# Altium PCB miniBackplane.PcbDoc (part 17 of 24)
Units mil, origin at the board's own origin, x right, y up, seen from the top; angles counter-clockwise.
Board outline 17285.63 x 8582.68 mil, 6 copper layers (Top Layer, Mid-Layer 1, GND, PWR, Mid-Layer 2, Bottom Layer), stack 62.362 mil thick; 519 components, 474 nets, 2434 pads, 1493 vias.
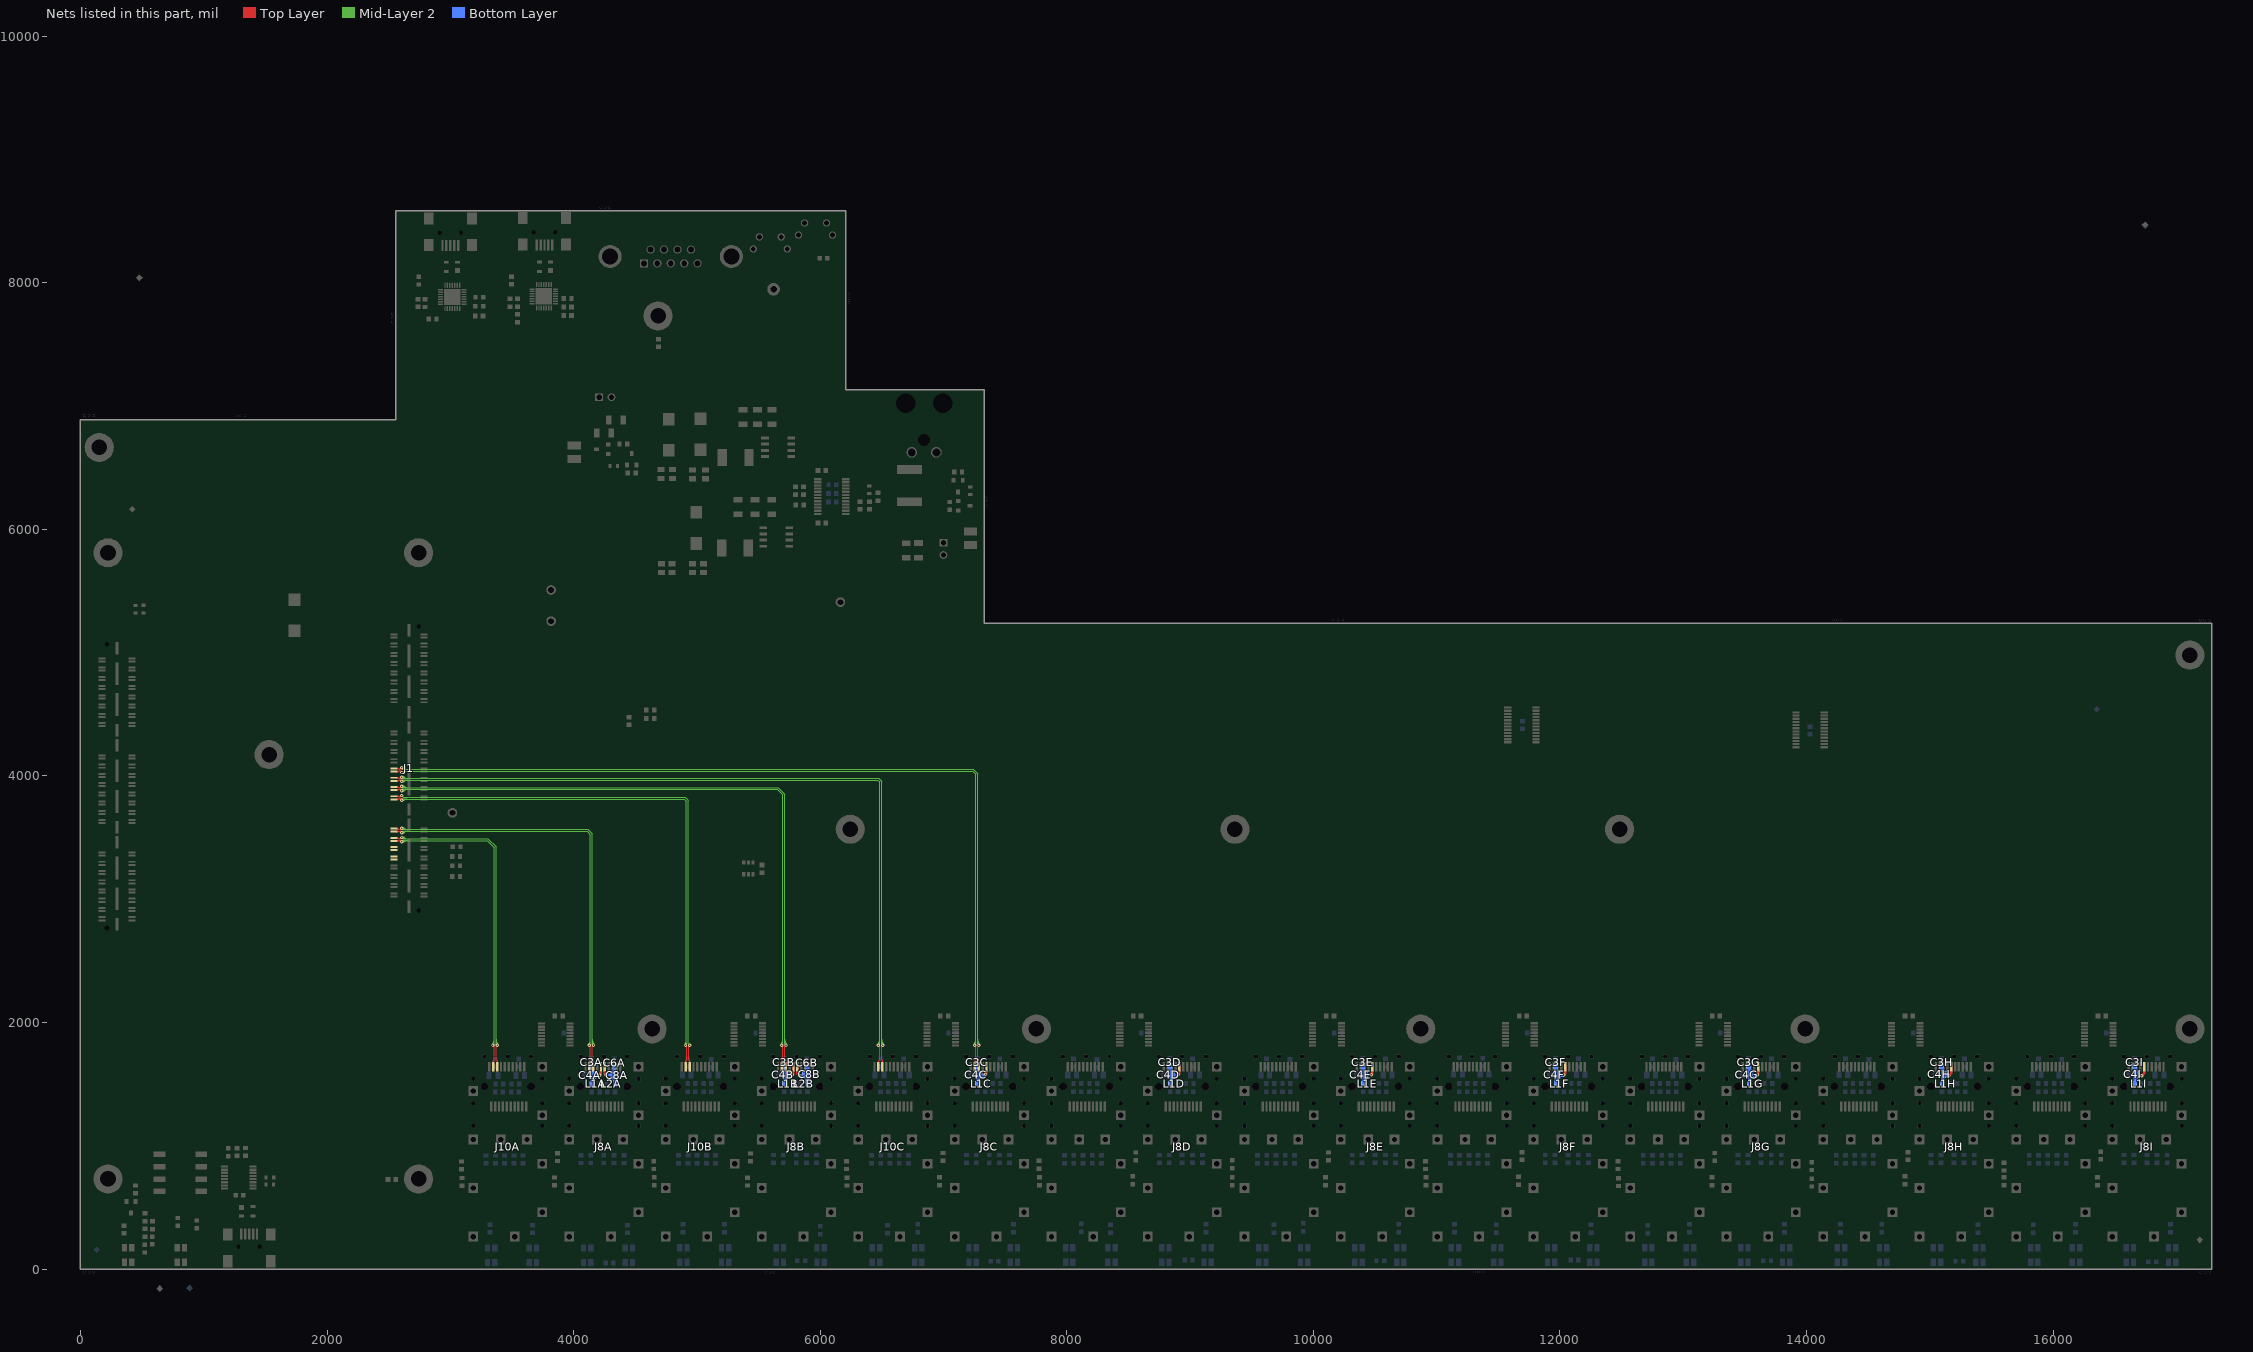
[diagram p21: the nets of this part, all layers, seen from the top]

## Via types
v1: diameter 27.56, hole 11.81, Top Layer to Bottom Layer, tented both sides, 1347 vias
v2: diameter 23.62, hole 11.81, Top Layer to Bottom Layer, tented both sides, 146 vias

## Nets (pads, with @x,y where several pads share a name; then routed paths per layer and width w, separated by ;. In a path a pad name is that pad's centre, name@x,y a point inside that pad or via, vN(x,y) a via of type N, cw(c..) or ccw(c..) an arc to the next point about the centre after c; other vN are vias at no path point) (continued)
MGTTX115_0_N: J1.52 J8C.19 | length 7595.7
  Top Layer w9.84: J1.52@2562.99,4034.99 2575.71,4034.99 2580.33,4039.62 ; v1(2605.71,4027.66) 2593.75,4039.62 ; v1(7252.44,1815.56) 7262.28,1805.72 ; J8C.19@7254.41,1669.3 7254.41,1690.56 7262.28,1698.43 7262.28,1805.72 ; 2580.33,4039.62 cw(c2571.4,4048.55) 2565.18,4037.56 ccw(c2571.4,4048.55) 2580.33,4039.62 ; 2580.34,4039.62 cw(c2580.34,4022.6) 2597.02,4025.93 ccw(c2580.34,4022.6) 2580.34,4039.62 ; 2580.33,4039.62 2593.75,4039.62 ; 2593.75,4039.62 ccw(c2602.04,4047.9) 2604.13,4036.37 cw(c2602.04,4047.9) 2593.75,4039.62 ; 2593.75,4039.62 cw(c2585.46,4031.33) 2596.99,4029.24 ccw(c2585.46,4031.33) 2593.75,4039.62 ; 7254.41,1682.63 ccw(c7266.29,1682.63) 7257.89,1674.23 cw(c7266.29,1682.63) 7254.41,1682.63 ; 7254.41,1682.63 cw(c7242.53,1682.63) 7250.93,1674.23 ccw(c7242.53,1682.63) 7254.41,1682.63 ; 7262.28,1805.72 ccw(c7257.68,1801.12) 7255.46,1807.23 cw(c7257.68,1801.12) 7262.28,1805.72 ; 7262.28,1805.72 cw(c7266.88,1810.32) 7260.77,1812.54 ccw(c7266.88,1810.32) 7262.28,1805.72 ; 2592.33,4039.62 cw(c2592.33,4024.99) 2606.67,4027.85 ccw(c2592.33,4024.99) 2592.33,4039.62
  Mid-Layer 2 w7.09: v1(2605.71,4027.66) 2614.27,4027.66 2624.11,4037.5 ; v1@7249.79,1825.45 ccw(c7246.08,1839.28) 7258.49,1832.12 ; v1(7252.44,1815.56) 7262.28,1825.4 7262.28,4011.44 7236.22,4037.5 2624.11,4037.5 ; 7252.63,1835.59 ccw(c7265.6,1828.05) v1@7254.72,1817.73 ; 7257.38,1843.77 ccw(c7272.75,1834.84) v1@7259.86,1822.61 ; 7260,1834.74 ccw(c7270.44,1828.71) v1@7260.71,1821.6 ; 2624.11,4037.5 cw(c2616.93,4044.68) 2611.34,4036.2 ccw(c2616.93,4044.68) 2624.11,4037.5 ; v1@7245.2,1822.8 ccw(c7203.97,1864.03) 7262.28,1864.03 cw(c7203.97,1864.03) v1@7245.2,1822.8 ; v1@7250.21,1817.79 ccw(c7221.07,1846.92) 7262.28,1846.92 cw(c7221.07,1846.92) v1@7250.21,1817.79 ; v1@7255.22,1812.78 ccw(c7238.18,1829.82) 7262.28,1829.82 cw(c7238.18,1829.82) v1@7255.22,1812.78
MGTTX115_0_P: J1.50 J8C.18 | length 7619.6
  Top Layer w9.84: J1.50@2562.99,4059.99 2575.71,4059.99 2580.33,4055.37 ; v1(2605.71,4065.21) 2595.87,4055.37 ; J8C.18@7285.91,1669.3 7285.91,1690.56 7278.03,1698.43 7278.03,1805.72 ; v1(7287.87,1815.56) 7278.03,1805.72 ; 2580.33,4055.37 ccw(c2571.4,4046.44) 2565.18,4057.42 cw(c2571.4,4046.44) 2580.33,4055.37 ; 2580.34,4055.37 ccw(c2580.34,4073.07) 2597.25,4067.83 cw(c2580.34,4073.07) 2580.34,4055.37 ; 2580.33,4055.37 2595.87,4055.37 ; 2595.87,4055.37 ccw(c2591.27,4059.97) 2597.38,4062.19 cw(c2591.27,4059.97) 2595.87,4055.37 ; 2595.87,4055.37 cw(c2600.47,4050.77) 2602.69,4056.88 ccw(c2600.47,4050.77) 2595.87,4055.37 ; 7278.03,1805.72 ccw(c7273.43,1810.32) 7279.55,1812.54 cw(c7273.43,1810.32) 7278.03,1805.72 ; 7278.03,1805.72 cw(c7282.63,1801.12) 7284.85,1807.23 ccw(c7282.63,1801.12) 7278.03,1805.72 ; 7285.91,1682.63 ccw(c7297.79,1682.63) 7289.39,1674.23 cw(c7297.79,1682.63) 7285.91,1682.63 ; 7285.91,1682.63 cw(c7274.02,1682.63) 7282.43,1674.23 ccw(c7274.02,1682.63) 7285.91,1682.63 ; 2593.69,4055.37 ccw(c2593.69,4068.93) 2606.65,4064.92 cw(c2593.69,4068.93) 2593.69,4055.37
  Mid-Layer 2 w7.09: v1@2607.1,4066.6 2620.45,4053.25 ; v1@7279.61,1821.6 ccw(c7269.87,1828.71) 7280.31,1834.74 ; v1@7280.45,1822.61 ccw(c7267.57,1834.84) 7282.93,1843.77 ; 7281.83,1832.12 ccw(c7294.23,1839.28) v1@7290.52,1825.45 ; v1@7285.59,1817.73 ccw(c7274.72,1828.05) 7287.68,1835.59 ; v1(7287.87,1815.56) 7278.03,1825.4 7278.03,4017.96 7242.74,4053.25 2620.45,4053.25 ; 2620.45,4053.25 ccw(c2613.05,4045.84) 2609.34,4055.64 cw(c2613.05,4045.84) 2620.45,4053.25 ; 2620.45,4053.25 cw(c2631.38,4064.18) 2615.94,4064.8 ccw(c2631.38,4064.18) 2620.45,4053.25 ; 7278.03,1829.82 ccw(c7302.13,1829.82) 7285.09,1812.78 cw(c7302.13,1829.82) 7278.03,1829.82 ; 7278.03,1846.92 ccw(c7319.24,1846.92) 7290.1,1817.79 cw(c7319.24,1846.92) 7278.03,1846.92 ; 7278.03,1864.03 ccw(c7336.35,1864.03) 7295.11,1822.8 cw(c7336.35,1864.03) 7278.03,1864.03
MGTTX115_1_N: J1.56 J10C.19 | length 6950.7
  Top Layer w9.84: J1.56@2562.99,3959.99 2575.71,3959.99 2580.71,3965 ; v1(2605.71,3955.16) 2595.87,3965 ; v1(6472.44,1815.56) 6482.28,1805.72 ; J10C.19@6474.41,1673.24 6474.41,1690.56 6482.28,1698.43 6482.28,1805.72 ; 2580.71,3965 cw(c2571.27,3974.44) 2565.09,3962.61 ccw(c2571.27,3974.44) 2580.71,3965 ; 2580.71,3965 cw(c2580.71,3947.8) 2597.21,3952.66 ccw(c2580.71,3947.8) 2580.71,3965 ; 2580.71,3965 2595.87,3965 ; 2595.87,3965 ccw(c2600.47,3969.6) 2602.69,3963.48 cw(c2600.47,3969.6) 2595.87,3965 ; 2595.87,3965 cw(c2591.27,3960.4) 2597.38,3958.18 ccw(c2591.27,3960.4) 2595.87,3965 ; 6482.28,1805.72 ccw(c6477.68,1801.12) 6475.46,1807.23 cw(c6477.68,1801.12) 6482.28,1805.72 ; 6482.28,1805.72 cw(c6486.88,1810.32) 6480.77,1812.54 ccw(c6486.88,1810.32) 6482.28,1805.72 ; 2593.87,3965 cw(c2593.87,3951.67) 2606.65,3955.44 ccw(c2593.87,3951.67) 2593.87,3965 ; J10C.19@6468.43,1674.23 ccw(c6453.99,1688.66) 6474.41,1688.66 cw(c6453.99,1688.66) J10C.19@6468.43,1674.23
  Mid-Layer 2 w7.09: v1(2605.71,3955.16) 2615.55,3965 6468.12,3965 6482.28,3950.84 6482.28,1825.4 v1(6472.44,1815.56) ; v1@2607.88,3957.44 ccw(c2618.2,3968.31) 2625.74,3955.35 ; v1@2611.75,3963.42 ccw(c2618.86,3973.16) 2624.89,3962.72 ; v1@2612.76,3962.58 ccw(c2624.99,3975.46) 2633.92,3960.1 ; v1@2615.6,3952.51 cw(c2629.43,3948.8) 2622.27,3961.21 ; v1@6469.79,1825.45 ccw(c6466.08,1839.28) 6478.49,1832.12 ; 6472.63,1835.59 ccw(c6485.6,1828.05) v1@6474.72,1817.73 ; 6477.38,1843.77 ccw(c6492.75,1834.84) v1@6479.86,1822.61 ; 6480,1834.74 ccw(c6490.44,1828.71) v1@6480.71,1821.6 ; v1@2602.92,3957.94 cw(c2619.97,3940.9) 2619.97,3965 ccw(c2619.97,3940.9) v1@2602.92,3957.94 ; v1@2607.94,3952.93 cw(c2637.07,3923.79) 2637.07,3965 ccw(c2637.07,3923.79) v1@2607.94,3952.93 ; v1@2612.95,3947.92 cw(c2654.18,3906.68) 2654.18,3965 ccw(c2654.18,3906.68) v1@2612.95,3947.92 ; v1@6465.2,1822.8 ccw(c6423.97,1864.03) 6482.28,1864.03 cw(c6423.97,1864.03) v1@6465.2,1822.8 ; v1@6470.21,1817.79 ccw(c6441.07,1846.92) 6482.28,1846.92 cw(c6441.07,1846.92) v1@6470.21,1817.79 ; v1@6475.22,1812.78 ccw(c6458.18,1829.82) 6482.28,1829.82 cw(c6458.18,1829.82) v1@6475.22,1812.78
MGTTX115_1_P: J1.54 J10C.18 | length 6980.6
  Top Layer w9.84: J1.54@2562.99,3984.99 2575.71,3984.99 2579.95,3980.75 ; v1(2605.71,3990.59) 2595.87,3980.75 ; J10C.18@6505.91,1669.3 6505.91,1690.56 6498.03,1698.43 6498.03,1805.72 ; v1(6507.87,1815.56) 6498.03,1805.72 ; 2579.95,3980.75 ccw(c2571.51,3972.31) 2565.27,3982.48 cw(c2571.51,3972.31) 2579.95,3980.75 ; 2579.95,3980.75 ccw(c2579.95,3998.98) 2597.29,3993.33 cw(c2579.95,3998.98) 2579.95,3980.75 ; 2579.95,3980.75 2595.87,3980.75 ; 2595.87,3980.75 ccw(c2591.27,3985.35) 2597.38,3987.57 cw(c2591.27,3985.35) 2595.87,3980.75 ; 2595.87,3980.75 cw(c2600.47,3976.15) 2602.69,3982.26 ccw(c2600.47,3976.15) 2595.87,3980.75 ; 6498.03,1805.72 ccw(c6493.43,1810.32) 6499.55,1812.54 cw(c6493.43,1810.32) 6498.03,1805.72 ; 6498.03,1805.72 cw(c6502.63,1801.12) 6504.85,1807.23 ccw(c6502.63,1801.12) 6498.03,1805.72 ; 2593.51,3980.75 ccw(c2593.51,3994.56) 2606.64,3990.29 cw(c2593.51,3994.56) 2593.51,3980.75 ; J10C.18@6499.93,1674.23 ccw(c6485.49,1688.66) 6505.91,1688.66 cw(c6485.49,1688.66) J10C.18@6499.93,1674.23
  Mid-Layer 2 w7.09: v1(2605.71,3990.59) 2615.55,3980.75 6474.65,3980.75 6498.03,3957.36 6498.03,1825.4 v1(6507.87,1815.56) ; v1@2607.88,3988.31 cw(c2618.2,3977.43) 2625.74,3990.4 ; v1@2611.75,3982.33 cw(c2618.86,3972.59) 2624.89,3983.03 ; v1@2612.76,3983.17 cw(c2624.99,3970.29) 2633.92,3985.65 ; v1@2615.6,3993.24 ccw(c2629.43,3996.95) 2622.27,3984.54 ; v1@6499.61,1821.6 ccw(c6489.87,1828.71) 6500.31,1834.74 ; v1@6500.45,1822.61 ccw(c6487.57,1834.84) 6502.93,1843.77 ; 6501.83,1832.12 ccw(c6514.23,1839.28) v1@6510.52,1825.45 ; v1@6505.59,1817.73 ccw(c6494.72,1828.05) 6507.68,1835.59 ; v1@2602.92,3987.81 ccw(c2619.97,4004.85) 2619.97,3980.75 cw(c2619.97,4004.85) v1@2602.92,3987.81 ; v1@2607.94,3992.82 ccw(c2637.07,4021.96) 2637.07,3980.75 cw(c2637.07,4021.96) v1@2607.94,3992.82 ; v1@2612.95,3997.83 ccw(c2654.18,4039.07) 2654.18,3980.75 cw(c2654.18,4039.07) v1@2612.95,3997.83 ; 6498.03,1829.82 ccw(c6522.13,1829.82) 6505.09,1812.78 cw(c6522.13,1829.82) 6498.03,1829.82 ; 6498.03,1846.92 ccw(c6539.24,1846.92) 6510.1,1817.79 cw(c6539.24,1846.92) 6498.03,1846.92 ; 6498.03,1864.03 ccw(c6556.35,1864.03) 6515.11,1822.8 cw(c6556.35,1864.03) 6498.03,1864.03
MGTTX115_2_N: J1.60 J8B.19 | length 6089.8
  Top Layer w9.84: J1.60@2562.99,3884.99 2575.71,3884.99 2580.72,3890 ; v1(2605.71,3880.16) 2595.87,3890 ; v1(5687.44,1815.55) 5697.28,1805.71 ; J8B.19@5689.41,1669.29 5689.41,1690.55 5697.28,1698.43 5697.28,1805.71 ; 2580.72,3890 cw(c2571.28,3899.44) 2565.09,3887.61 ccw(c2571.28,3899.44) 2580.72,3890 ; 2580.72,3890 cw(c2580.72,3872.81) 2597.21,3877.66 ccw(c2580.72,3872.81) 2580.72,3890 ; 2580.72,3890 2595.87,3890 ; 2595.87,3890 ccw(c2600.47,3894.6) 2602.69,3888.48 cw(c2600.47,3894.6) 2595.87,3890 ; 2595.87,3890 cw(c2591.27,3885.4) 2597.38,3883.18 ccw(c2591.27,3885.4) 2595.87,3890 ; 5689.41,1682.63 ccw(c5701.29,1682.63) 5692.89,1674.23 cw(c5701.29,1682.63) 5689.41,1682.63 ; 5689.41,1682.63 cw(c5677.53,1682.63) 5685.93,1674.23 ccw(c5677.53,1682.63) 5689.41,1682.63 ; 5697.28,1805.71 ccw(c5692.68,1801.11) 5690.46,1807.22 cw(c5692.68,1801.11) 5697.28,1805.71 ; 5697.28,1805.71 cw(c5701.88,1810.31) 5695.77,1812.53 ccw(c5701.88,1810.31) 5697.28,1805.71 ; 2593.87,3890 cw(c2593.87,3876.68) 2606.65,3880.44 ccw(c2593.87,3876.68) 2593.87,3890
  Mid-Layer 2 w7.09: v1@2605,3890 5653,3890 5697.28,3845.72 5697.28,1825.39 v1(5687.44,1815.55) ; v1(2605.71,3880.16) v1@2613.43,3887.87 ; v1@2607.88,3882.44 ccw(c2618.2,3893.31) 2625.74,3880.35 ; v1@2611.75,3888.42 ccw(c2618.86,3898.16) 2624.89,3887.72 ; v1@2612.76,3887.58 ccw(c2624.99,3900.46) 2633.92,3885.1 ; v1@2615.6,3877.51 cw(c2629.43,3873.8) 2622.27,3886.21 ; v1@5684.79,1825.44 ccw(c5681.08,1839.28) 5693.49,1832.11 ; 5687.63,1835.58 ccw(c5700.6,1828.05) v1@5689.72,1817.72 ; 5692.38,1843.76 ccw(c5707.75,1834.84) v1@5694.86,1822.6 ; 5695,1834.73 ccw(c5705.44,1828.7) v1@5695.71,1821.59 ; v1@2602.92,3882.94 cw(c2619.97,3865.9) 2619.97,3890 ccw(c2619.97,3865.9) v1@2602.92,3882.94 ; v1@2607.94,3877.93 cw(c2637.07,3848.79) 2637.07,3890 ccw(c2637.07,3848.79) v1@2607.94,3877.93 ; v1@2612.95,3872.92 cw(c2654.18,3831.68) 2654.18,3890 ccw(c2654.18,3831.68) v1@2612.95,3872.92 ; v1@5680.2,1822.79 ccw(c5638.97,1864.03) 5697.28,1864.03 cw(c5638.97,1864.03) v1@5680.2,1822.79 ; v1@5685.21,1817.78 ccw(c5656.07,1846.92) 5697.28,1846.92 cw(c5656.07,1846.92) v1@5685.21,1817.78 ; v1@5690.22,1812.77 ccw(c5673.18,1829.81) 5697.28,1829.81 cw(c5673.18,1829.81) v1@5690.22,1812.77
MGTTX115_2_P: J1.58 J8B.18 | length 6114.8
  Top Layer w9.84: J1.58@2562.99,3909.99 2575.71,3909.99 2579.95,3905.75 ; v1(2605.71,3915.59) 2595.87,3905.75 ; J8B.18@5720.91,1673.23 5720.91,1690.55 5713.03,1698.43 5713.03,1805.71 ; v1(5722.87,1815.55) 5713.03,1805.71 ; 2579.95,3905.75 ccw(c2571.51,3897.31) 2565.27,3907.48 cw(c2571.51,3897.31) 2579.95,3905.75 ; 2579.95,3905.75 ccw(c2579.95,3923.98) 2597.29,3918.33 cw(c2579.95,3923.98) 2579.95,3905.75 ; 2579.95,3905.75 2595.87,3905.75 ; 2595.87,3905.75 ccw(c2591.27,3910.35) 2597.38,3912.57 cw(c2591.27,3910.35) 2595.87,3905.75 ; 2595.87,3905.75 cw(c2600.47,3901.15) 2602.69,3907.26 ccw(c2600.47,3901.15) 2595.87,3905.75 ; 5713.03,1805.71 ccw(c5708.43,1810.31) 5714.55,1812.53 cw(c5708.43,1810.31) 5713.03,1805.71 ; 5713.03,1805.71 cw(c5717.63,1801.11) 5719.85,1807.22 ccw(c5717.63,1801.11) 5713.03,1805.71 ; 5720.91,1682.63 ccw(c5732.79,1682.63) 5724.39,1674.23 cw(c5732.79,1682.63) 5720.91,1682.63 ; 5720.91,1682.63 cw(c5709.02,1682.63) 5717.43,1674.23 ccw(c5709.02,1682.63) 5720.91,1682.63 ; 2593.51,3905.75 ccw(c2593.51,3919.56) 2606.64,3915.29 cw(c2593.51,3919.56) 2593.51,3905.75
  Mid-Layer 2 w7.09: v1@2605,3905.75 2615.55,3905.75 ; v1(2605.71,3915.59) 2615.55,3905.75 ; v1@2607.88,3913.31 cw(c2618.2,3902.43) 2625.74,3915.4 ; v1@2611.75,3907.33 cw(c2618.86,3897.59) 2624.89,3908.03 ; v1@2612.76,3908.17 cw(c2624.99,3895.29) 2633.92,3910.65 ; v1@2615.6,3918.24 ccw(c2629.43,3921.95) 2622.27,3909.54 ; v1@5714.61,1821.59 ccw(c5704.87,1828.7) 5715.31,1834.73 ; v1@5715.45,1822.6 ccw(c5702.57,1834.84) 5717.93,1843.76 ; 5716.83,1832.11 ccw(c5729.23,1839.28) v1@5725.52,1825.44 ; v1@5720.59,1817.72 ccw(c5709.72,1828.05) 5722.68,1835.58 ; v1(5722.87,1815.55) 5713.03,1825.39 5713.03,3852.24 5659.52,3905.75 2615.55,3905.75 ; v1@2602.92,3912.81 ccw(c2619.97,3929.85) 2619.97,3905.75 cw(c2619.97,3929.85) v1@2602.92,3912.81 ; v1@2607.94,3917.82 ccw(c2637.07,3946.96) 2637.07,3905.75 cw(c2637.07,3946.96) v1@2607.94,3917.82 ; v1@2612.95,3922.83 ccw(c2654.18,3964.07) 2654.18,3905.75 cw(c2654.18,3964.07) v1@2612.95,3922.83 ; 5713.03,1829.81 ccw(c5737.13,1829.81) 5720.09,1812.77 cw(c5737.13,1829.81) 5713.03,1829.81 ; 5713.03,1846.92 ccw(c5754.24,1846.92) 5725.1,1817.78 cw(c5754.24,1846.92) 5713.03,1846.92 ; 5713.03,1864.03 ccw(c5771.35,1864.03) 5730.11,1822.79 cw(c5771.35,1864.03) 5713.03,1864.03
MGTTX115_3_N: J1.64 J10B.19 | length 5095.2
  Top Layer w9.84: J1.64@2562.99,3809.99 2575.71,3809.99 2580.71,3815 ; v1@2605.71,3805.16 2595.87,3815 ; v1(4907.44,1815.55) 4917.28,1805.71 ; J10B.19@4909.41,1669.29 4909.41,1690.55 4917.28,1698.43 4917.28,1805.71 ; 2580.71,3815 cw(c2580.71,3799.07) 2596.32,3802.24 ccw(c2580.71,3799.07) 2580.71,3815 ; 2580.71,3815 cw(c2571.27,3824.44) 2565.09,3812.61 ccw(c2571.27,3824.44) 2580.71,3815 ; 2580.71,3815 2595.87,3815 ; 2595.87,3815 cw(c2591.49,3810.62) 2597.05,3807.9 ccw(c2591.49,3810.62) 2595.87,3815 ; 2595.87,3815 ccw(c2601.77,3820.91) 2603.34,3812.7 cw(c2601.77,3820.91) 2595.87,3815 ; 4909.41,1682.63 cw(c4897.53,1682.63) 4905.93,1674.23 ccw(c4897.53,1682.63) 4909.41,1682.63 ; 4909.41,1682.63 ccw(c4921.29,1682.63) 4912.89,1674.23 cw(c4921.29,1682.63) 4909.41,1682.63 ; 4917.28,1805.71 ccw(c4912.68,1801.11) 4910.46,1807.22 cw(c4912.68,1801.11) 4917.28,1805.71 ; 4917.28,1805.71 cw(c4921.88,1810.31) 4915.77,1812.53 ccw(c4921.88,1810.31) 4917.28,1805.71 ; 2592.75,3815 cw(c2592.75,3801.51) 2605.96,3804.2 ccw(c2592.75,3801.51) 2592.75,3815
  Mid-Layer 2 w7.09: v1(2605,3804) 2605,3804.45 v1@2612.55,3812 ; v1@2607.42,3806.01 ccw(c2617.07,3814.03) 2623.34,3803.17 ; v1@2612.31,3811.17 ccw(c2617.63,3816.39) 2621.36,3809.93 ccw(c2628.24,3798.01) v1@2614.91,3801.45 ; v1@2612.87,3810.54 ccw(c2623.62,3819.48) 2630.62,3807.37 ; v1@2613.43,3812.87 v1@2612.55,3812 ; v1@4905.49,1825.6 ccw(c4903.45,1836.08) 4912.7,1830.74 ccw(c4917.71,1827.85) v1@4914,1823.41 ; 4906.17,1833.13 ccw(c4916.16,1827.36) v1@4909.31,1818.08 ; v1(4907.44,1815.55) 4914.68,1822.79 4914.68,3796.32 4899,3812 v1@2612.55,3812 ; 4910.14,1840 ccw(c4920.91,1833.79) v1@4913.52,1823.79 ; v1@2607.23,3801.77 cw(c2631.92,3777.08) 2631.92,3812 ccw(c2631.92,3777.08) v1@2607.23,3801.77 ; v1@2612.24,3796.76 cw(c2649.03,3759.97) 2649.03,3812 ccw(c2649.03,3759.97) v1@2612.24,3796.76 ; v1@4900.2,1822.79 ccw(c4865.25,1857.74) 4914.68,1857.74 cw(c4865.25,1857.74) v1@4900.2,1822.79 ; v1@4905.21,1817.78 ccw(c4882.36,1840.63) 4914.68,1840.63 cw(c4882.36,1840.63) v1@4905.21,1817.78
MGTTX115_3_P: J1.62 J10B.18 | length 4743.7
  Top Layer w9.84: J1.62@2562.99,3834.99 2575.71,3834.99 2579.95,3830.75 ; v1(2605.71,3840.59) 2595.87,3830.75 ; J10B.18@4940.91,1669.29 4940.91,1690.55 4933.03,1698.43 4933.03,1805.71 ; v1(4942.87,1815.55) 4933.03,1805.71 ; 2579.95,3830.75 ccw(c2579.95,3848.98) 2597.29,3843.33 cw(c2579.95,3848.98) 2579.95,3830.75 ; 2579.95,3830.75 ccw(c2571.51,3822.31) 2565.27,3832.48 cw(c2571.51,3822.31) 2579.95,3830.75 ; 2579.95,3830.75 2595.87,3830.75 ; 2595.87,3830.75 ccw(c2591.27,3835.35) 2597.38,3837.57 cw(c2591.27,3835.35) 2595.87,3830.75 ; 2595.87,3830.75 cw(c2600.47,3826.15) 2602.69,3832.26 ccw(c2600.47,3826.15) 2595.87,3830.75 ; 4933.03,1805.71 ccw(c4928.43,1810.31) 4934.55,1812.53 cw(c4928.43,1810.31) 4933.03,1805.71 ; 4933.03,1805.71 cw(c4937.63,1801.11) 4939.85,1807.22 ccw(c4937.63,1801.11) 4933.03,1805.71 ; 4940.91,1682.63 cw(c4929.02,1682.63) 4937.43,1674.23 ccw(c4929.02,1682.63) 4940.91,1682.63 ; 4940.91,1682.63 ccw(c4952.79,1682.63) 4944.39,1674.23 cw(c4952.79,1682.63) 4940.91,1682.63 ; 2593.51,3830.75 ccw(c2593.51,3844.56) 2606.64,3840.29 cw(c2593.51,3844.56) 2593.51,3830.75
  Mid-Layer 2 w7.09: v1(2605.71,3840.59) 2618.55,3827.75 4905.52,3827.75 4930.43,3802.84 4930.43,1829.31 4933.43,1826.31 4933.43,1825 v1(4942.87,1815.55)
MGTTX116_0_N: J1.68 J8A.19 | length 4193
  Top Layer w9.84: J1.68@2562.99,3547.49 2575.71,3547.49 2578.22,3550 ; v1(2605.71,3540.16) 2595.87,3550 ; v1(4125.98,1813.9) 4135.83,1804.06 ; J8A.19@4127.95,1667.64 4127.95,1688.9 4135.83,1696.77 4135.83,1804.06 ; 2578.22,3550 cw(c2571.79,3556.42) 2565.7,3549.68 ccw(c2571.79,3556.42) 2578.22,3550 ; 2578.22,3550 cw(c2578.22,3529.3) 2597.47,3536.9 ccw(c2578.22,3529.3) 2578.22,3550 ; 2578.22,3550 2595.87,3550 ; 2595.87,3550 ccw(c2600.47,3554.6) 2602.69,3548.48 cw(c2600.47,3554.6) 2595.87,3550 ; 2595.87,3550 cw(c2591.27,3545.4) 2597.38,3543.18 ccw(c2591.27,3545.4) 2595.87,3550 ; 4127.95,1682.63 ccw(c4139.83,1682.63) 4131.43,1674.23 cw(c4139.83,1682.63) 4127.95,1682.63 ; 4127.95,1682.63 cw(c4116.07,1682.63) 4124.47,1674.23 ccw(c4116.07,1682.63) 4127.95,1682.63 ; 4135.83,1804.06 ccw(c4131.23,1799.45) 4129.01,1805.57 cw(c4131.23,1799.45) 4135.83,1804.06 ; 4135.83,1804.06 cw(c4140.43,1808.66) 4134.31,1810.88 ccw(c4140.43,1808.66) 4135.83,1804.06 ; 2592.69,3550 cw(c2592.69,3535.01) 2606.62,3540.52 ccw(c2592.69,3535.01) 2592.69,3550
  Mid-Layer 2 w7.09: v1(2605.71,3540.16) 2615.55,3550 4110.24,3550 4135.83,3524.41 4135.83,1823.74 v1(4125.98,1813.9) ; v1@2607.88,3542.44 ccw(c2618.2,3553.31) 2625.74,3540.35 ; v1@2611.75,3548.42 ccw(c2618.86,3558.16) 2624.89,3547.72 ; v1@2612.76,3547.58 ccw(c2624.99,3560.46) 2633.92,3545.1 ; v1@2615.6,3537.51 cw(c2629.43,3533.8) 2622.27,3546.21 ; v1@4123.33,1823.79 ccw(c4119.63,1837.62) 4132.03,1830.46 ; 4126.17,1833.92 ccw(c4139.14,1826.39) v1@4128.27,1816.07 ; 4130.93,1842.11 ccw(c4146.29,1833.18) v1@4133.41,1820.95 ; 4133.54,1833.08 ccw(c4143.99,1827.05) v1@4134.25,1819.94 ; v1@2602.92,3542.94 cw(c2619.97,3525.9) 2619.97,3550 ccw(c2619.97,3525.9) v1@2602.92,3542.94 ; v1@2607.94,3537.93 cw(c2637.07,3508.79) 2637.07,3550 ccw(c2637.07,3508.79) v1@2607.94,3537.93 ; v1@2612.95,3532.92 cw(c2654.18,3491.68) 2654.18,3550 ccw(c2654.18,3491.68) v1@2612.95,3532.92 ; v1@4118.75,1821.14 ccw(c4077.51,1862.37) 4135.83,1862.37 cw(c4077.51,1862.37) v1@4118.75,1821.14 ; v1@4123.76,1816.12 ccw(c4094.62,1845.26) 4135.83,1845.26 cw(c4094.62,1845.26) v1@4123.76,1816.12 ; v1@4128.77,1811.11 ccw(c4111.73,1828.15) 4135.83,1828.15 cw(c4111.73,1828.15) v1@4128.77,1811.11
MGTTX116_0_P: J1.66 J8A.18 | length 4220.5
  Top Layer w9.84: J1.66@2562.99,3572.49 2575.71,3572.49 ; 2575.71,3570.75 2580.71,3565.75 ; v1(2605.71,3575.59) 2595.87,3565.75 ; J8A.18@4159.45,1667.64 4159.45,1688.9 4151.57,1696.77 4151.57,1804.06 ; v1(4161.42,1813.9) 4151.57,1804.06 ; 2580.71,3565.75 ccw(c2569.43,3554.47) 2564.61,3569.68 cw(c2569.43,3554.47) 2580.71,3565.75 ; 2580.71,3565.75 ccw(c2580.71,3582.95) 2597.21,3578.09 cw(c2580.71,3582.95) 2580.71,3565.75 ; 2580.71,3565.75 2595.87,3565.75 ; 2595.87,3565.75 ccw(c2591.27,3570.35) 2597.38,3572.57 cw(c2591.27,3570.35) 2595.87,3565.75 ; 2595.87,3565.75 cw(c2600.47,3561.15) 2602.69,3567.26 ccw(c2600.47,3561.15) 2595.87,3565.75 ; 4151.58,1804.06 ccw(c4146.97,1808.66) 4153.09,1810.88 cw(c4146.97,1808.66) 4151.58,1804.06 ; 4151.58,1804.06 cw(c4156.18,1799.45) 4158.4,1805.57 ccw(c4156.18,1799.45) 4151.58,1804.06 ; 4159.45,1682.63 ccw(c4171.33,1682.63) 4162.93,1674.23 cw(c4171.33,1682.63) 4159.45,1682.63 ; 4159.45,1682.63 cw(c4147.57,1682.63) 4155.97,1674.23 ccw(c4147.57,1682.63) 4159.45,1682.63 ; 2593.87,3565.75 ccw(c2593.87,3579.08) 2606.65,3575.31 cw(c2593.87,3579.08) 2593.87,3565.75
  Mid-Layer 2 w7.09: v1(2605.71,3575.59) 2615.55,3565.75 4116.76,3565.75 4151.57,3530.93 4151.57,1823.74 v1(4161.42,1813.9) ; v1@2607.88,3573.31 cw(c2618.2,3562.43) 2625.74,3575.4 ; v1@2611.75,3567.33 cw(c2618.86,3557.59) 2624.89,3568.03 ; v1@2612.76,3568.17 cw(c2624.99,3555.29) 2633.92,3570.65 ; v1@2615.6,3578.24 ccw(c2629.43,3581.95) 2622.27,3569.54 ; v1@4153.15,1819.94 ccw(c4143.42,1827.05) 4153.86,1833.08 ; v1@4154,1820.95 ccw(c4141.11,1833.18) 4156.48,1842.11 ; 4155.37,1830.46 ccw(c4167.77,1837.62) v1@4164.07,1823.79 ; v1@4159.13,1816.07 ccw(c4148.26,1826.39) 4161.23,1833.92 ; v1@2602.92,3572.81 ccw(c2619.97,3589.85) 2619.97,3565.75 cw(c2619.97,3589.85) v1@2602.92,3572.81 ; v1@2607.94,3577.82 ccw(c2637.07,3606.96) 2637.07,3565.75 cw(c2637.07,3606.96) v1@2607.94,3577.82 ; v1@2612.95,3582.83 ccw(c2654.18,3624.07) 2654.18,3565.75 cw(c2654.18,3624.07) v1@2612.95,3582.83 ; 4151.57,1828.15 ccw(c4175.67,1828.15) 4158.63,1811.11 cw(c4175.67,1828.15) 4151.57,1828.15 ; 4151.57,1845.26 ccw(c4192.78,1845.26) 4163.64,1816.12 cw(c4192.78,1845.26) 4151.57,1845.26 ; 4151.57,1862.37 ccw(c4209.89,1862.37) 4168.66,1821.14 cw(c4209.89,1862.37) 4151.57,1862.37